# KiCad board led_mapper_850.kicad_pcb (continued)
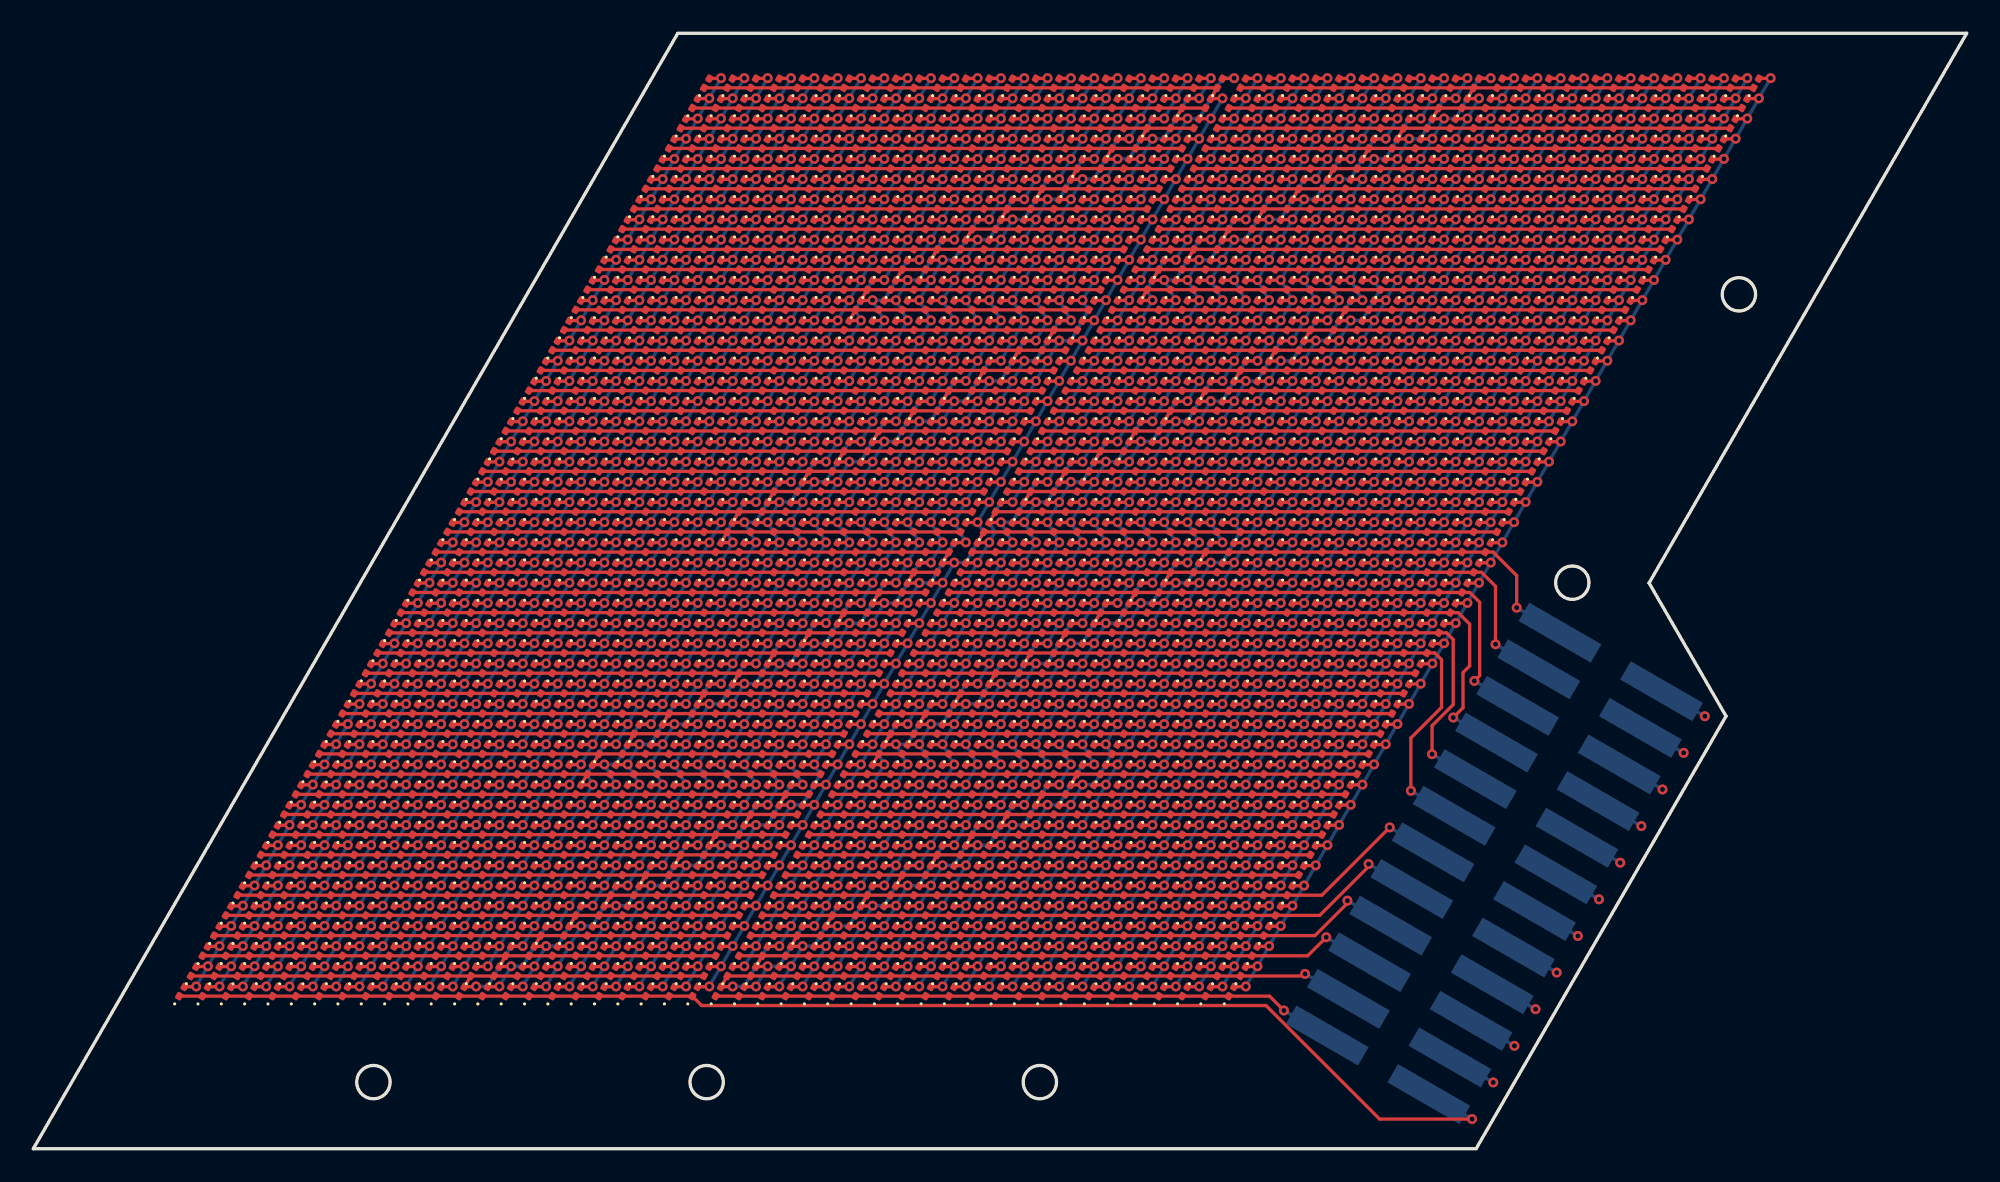
[diagram p0: board, top side]
## Routing (per net, layer and track width the routed paths; a pad name or vN(x,y) marks a point on that pad's centre or on a via; arc(x,y) is an arc through that point) (continued)
/P3: length 359.1
  Top w0.2: D1769.2 v1(14.68,13.38) ; D643.1 D597.2 v1(60.18,38.84) ; D1337.2 v1(23.78,29.15) ; D49.2 v1(43.38,63.09) ; D3.2 v1(44.08,64.31) ; D1291.2 v1(24.48,30.36) ; D1884.2 v1(48.98,17.02) ; D394.2 v1(70.68,54.61) ; D95.2 v1(42.68,61.88) ; D1383.2 v1(23.08,27.93) ; D2114.2 v1(52.48,23.08) ; D1677.2 v1(13.28,10.96) ; v1(44.08,10.96) D1655.2 D1701.1 ; D2068.2 v1(51.78,21.87) ; D872.2 v1(65.78,46.12) ; D1496.1 D1518.1 ; D573.2 v1(28.68,37.63) ; D826.2 v1(65.08,44.91) ; D1702.1 D1680.1 76.49,11.59 v1(77.61,12.7) ; D187.2 v1(41.28,59.46) ; D551.2 v1(59.48,37.63) ; D1222.2 v1(58.08,32.78) ; D803.2 v1(32.18,43.69) ; D463.2 v1(37.08,52.18) ; v1(67.88,52.18) D485.2 D439.1 ; D164.2 v1(74.18,60.67) ; D1609.2 v1(43.38,9.75) ; D1429.2 v1(22.38,26.72) ; D1033.2 v1(35.68,49.76) ; D417.2 v1(37.78,53.39) ; D1953.2 v1(17.48,18.23) ; D279.2 v1(39.88,57.03) ; D849.2 v1(32.88,44.91) ; D964.2 v1(67.18,48.54) ; D895.2 v1(33.58,46.12) ; D987.2 v1(34.98,48.54) ; D1475.2 v1(21.68,25.51) ; D72.2 v1(75.58,63.09) ; D118.2 v1(74.88,61.88) ; D941.2 v1(34.28,47.33) ; D1314.2 v1(56.68,30.36) ; D1130.2 v1(59.48,35.21) ; D780.2 v1(64.38,43.69) ; D1452.2 v1(54.58,26.72) ; D438.1 D460.1 ; D1245.2 v1(25.18,31.57) ; D1056.2 v1(68.58,50.97) ; D918.2 v1(66.48,47.33) ; D711.2 v1(30.78,41.27) ; D1153.2 v1(26.58,33.99) ; D141.2 v1(41.98,60.67) ; D1268.2 v1(57.38,31.57) ; D1061.2 v1(27.98,36.42) ; D1567.2 v1(20.28,23.08) ; D302.2 v1(72.08,57.03) ; D1930.2 v1(49.68,18.23) ; D1815.2 v1(15.38,14.6) ; D1010.2 v1(67.88,49.76) ; D26.2 v1(76.28,64.31) ; D1976.2 v1(50.38,19.45) ; D1360.2 v1(55.98,29.15) ; D1907.2 v1(16.78,17.02) ; D348.2 v1(71.38,55.82) ; D1521.2 v1(20.98,24.3) ; D210.2 v1(73.48,59.46) ; D325.2 v1(39.18,55.82) ; D2045.2 v1(18.88,20.66) ; D757.2 v1(31.48,42.48) ; D622.1 D644.1 ; D1084.2 v1(60.18,36.42) ; D665.2 v1(30.08,40.06) ; D619.2 v1(29.38,38.84) ; D1838.2 v1(48.28,15.81) ; D256.2 v1(72.78,58.24) ; D1792.2 v1(47.58,14.6) ; D1746.2 v1(46.88,13.38) ; D1861.2 v1(16.08,15.81) ; D1406.2 v1(55.28,27.93) ; D371.2 v1(38.48,54.61) ; D233.2 v1(40.58,58.24) ; D688.2 v1(62.98,41.27) ; D2091.2 v1(19.58,21.87) ; D1107.2 v1(27.28,35.21) ; v1(51.78,24.3) D1543.2 D1497.1 ; D509.2 v1(36.38,50.97) ; D1723.2 v1(13.98,12.17) ; D734.2 v1(63.68,42.48) ; D1199.2 v1(25.88,32.78) ; D1176.2 v1(58.78,33.99) ; D1631.2 v1(12.58,9.75) ; D2022.2 v1(51.08,20.66) ; D1999.2 v1(18.18,19.45)
  In2.Cu w0.2: v1(59.48,37.63) 59.13,38.24 29.03,38.24 v1(28.68,37.63)
  Bottom w0.2: J1.3 v1(77.61,12.7) ; v1(44.08,64.31) v1(12.58,9.75) ; v1(76.28,64.31) v1(70.68,54.61) 69.98,54.61 68.58,52.18 v1(67.88,52.18) v1(68.58,50.97) v1(62.98,41.27) 62.28,41.27 60.88,38.84 v1(60.18,38.84) v1(59.48,37.63) v1(60.18,36.42) v1(54.58,26.72) 53.88,26.72 52.48,24.3 v1(51.78,24.3) v1(52.48,23.08) v1(46.88,13.38) 46.18,13.38 44.78,10.96 v1(44.08,10.96) v1(43.38,9.75)
/P4: length 360.1
  Top w0.2: v1(46.18,12.17) D1700.2 D1746.1 ; D1791.2 v1(48.98,14.6) ; D802.2 v1(33.58,43.69) ; D779.2 v1(65.78,43.69) ; D894.2 v1(34.98,46.12) ; D572.2 v1(30.08,37.63) ; D1450.1 D1472.1 ; D825.2 v1(66.48,44.91) ; D1177.2 v1(60.18,33.99) ; D940.2 v1(35.68,47.33) ; D1975.2 v1(51.78,19.45) ; v1(78.88,14.9) 78.88,14.75 76.93,12.8 D1726.1 D1748.1 ; D1768.2 v1(16.08,13.38) ; D2113.2 v1(53.88,23.08) ; D917.2 v1(67.88,47.33) ; D326.2 v1(40.58,55.82) ; D1009.2 v1(69.28,49.76) ; D1085.2 v1(61.58,36.42) ; D1154.2 v1(27.98,33.99) ; D1384.2 v1(24.48,27.93) ; D303.2 v1(73.48,57.03) ; D1200.2 v1(27.28,32.78) ; D50.2 v1(44.78,63.09) ; D1055.2 v1(69.98,50.97) ; D188.2 v1(42.68,59.46) ; D486.2 v1(69.28,52.18) ; D1998.2 v1(19.58,19.45) ; D73.2 v1(76.98,63.09) ; D257.2 v1(74.18,58.24) ; D1544.2 v1(53.18,24.3) ; D963.2 v1(68.58,48.54) ; D234.2 v1(41.98,58.24) ; D1568.2 v1(21.68,23.08) ; D733.2 v1(65.08,42.48) ; D1338.2 v1(25.18,29.15) ; v1(69.98,53.39) D440.2 D394.1 ; D27.2 v1(77.68,64.31) ; D418.2 v1(39.18,53.39) ; v1(62.28,40.06) D642.2 D688.1 ; D710.2 v1(32.18,41.27) ; D4.2 v1(45.48,64.31) ; D1608.2 v1(44.78,9.75) ; D165.2 v1(75.58,60.67) ; D1246.2 v1(26.58,31.57) ; D349.2 v1(72.78,55.82) ; D550.2 v1(60.88,37.63) ; D372.2 v1(39.88,54.61) ; D211.2 v1(74.88,59.46) ; D142.2 v1(43.38,60.67) ; D96.2 v1(44.08,61.88) ; D1108.2 v1(28.68,35.21) ; D1476.2 v1(23.08,25.51) ; D1522.2 v1(22.38,24.3) ; D756.2 v1(32.88,42.48) ; D1906.2 v1(18.18,17.02) ; D1452.1 D1498.2 v1(53.88,25.51) ; D664.2 v1(31.48,40.06) ; D1630.2 v1(13.98,9.75) ; D2021.2 v1(52.48,20.66) ; D618.2 v1(30.78,38.84) ; D668.1 D690.1 ; D1929.2 v1(51.08,18.23) ; D1131.2 v1(60.88,35.21) ; D1032.2 v1(37.08,49.76) ; D1676.2 v1(14.68,10.96) ; D1860.2 v1(17.48,15.81) ; D464.2 v1(38.48,52.18) ; D119.2 v1(76.28,61.88) ; D871.2 v1(67.18,46.12) ; D1722.2 v1(15.38,12.17) ; D1407.2 v1(56.68,27.93) ; D1292.2 v1(25.88,30.36) ; D2044.2 v1(20.28,20.66) ; D1654.2 v1(45.48,10.96) ; D392.1 D414.1 ; D1223.2 v1(59.48,32.78) ; D986.2 v1(36.38,48.54) ; D1269.2 v1(58.78,31.57) ; D596.2 v1(61.58,38.84) ; D1361.2 v1(57.38,29.15) ; D2090.2 v1(20.98,21.87) ; D1883.2 v1(50.38,17.02) ; D1814.2 v1(16.78,14.6) ; D1062.2 v1(29.38,36.42) ; D510.2 v1(37.78,50.97) ; D280.2 v1(41.28,57.03) ; D1315.2 v1(58.08,30.36) ; D1952.2 v1(18.88,18.23) ; D848.2 v1(34.28,44.91) ; D1430.2 v1(23.78,26.72) ; D2067.2 v1(53.18,21.87) ; D1837.2 v1(49.68,15.81)
  In2.Cu w0.2: v1(30.78,38.84) 31.13,39.45 61.23,39.45 v1(61.58,38.84)
  Bottom w0.2: v1(45.48,64.31) v1(13.98,9.75) ; v1(77.68,64.31) v1(72.78,55.82) 72.08,55.82 70.68,53.39 v1(69.98,53.39) v1(69.28,52.18) v1(69.98,50.97) v1(65.08,42.48) 64.38,42.48 62.98,40.06 v1(62.28,40.06) v1(60.88,37.63) v1(61.58,36.42) v1(56.68,27.93) 55.98,27.93 54.58,25.51 v1(53.88,25.51) v1(53.18,24.3) v1(53.88,23.08) v1(48.98,14.6) 48.28,14.6 46.88,12.17 v1(46.18,12.17) v1(44.78,9.75) ; J1.4 v1(78.88,14.9)
/P5: length 361.1
  Top w0.2: D2043.2 v1(21.68,20.66) ; D1224.2 v1(60.88,32.78) ; D346.1 D368.1 ; D962.2 v1(69.98,48.54) ; D1008.2 v1(70.68,49.76) ; D1523.2 v1(23.78,24.3) ; D663.2 v1(32.88,40.06) ; D2066.2 v1(54.58,21.87) ; D1054.2 v1(71.38,50.97) ; D1791.1 D1745.2 v1(48.28,13.38) ; D847.2 v1(35.68,44.91) ; D1836.2 v1(51.08,15.81) ; D1629.2 v1(15.38,9.75) ; D2089.2 v1(22.38,21.87) ; D1155.2 v1(29.38,33.99) ; D258.2 v1(75.58,58.24) ; D1132.2 v1(62.28,35.21) ; D1545.2 v1(54.58,24.3) ; D985.2 v1(37.78,48.54) ; D549.2 v1(62.28,37.63) ; D143.2 v1(44.78,60.67) ; D1859.2 v1(18.88,15.81) ; D1767.2 v1(17.48,13.38) ; D212.2 v1(76.28,59.46) ; D28.2 v1(79.08,64.31) ; D281.2 v1(42.68,57.03) ; D755.2 v1(34.28,42.48) ; D1974.2 v1(53.18,19.45) ; D1928.2 v1(52.48,18.23) ; v1(72.08,54.61) D395.2 D349.1 ; D465.2 v1(39.88,52.18) ; D1316.2 v1(59.48,30.36) ; v1(80.15,17.1) 80.15,16.95 77.21,14.01 D1772.1 D1794.1 ; D1499.2 v1(55.28,25.51) ; D441.2 v1(71.38,53.39) ; D1721.2 v1(16.78,12.17) ; D1477.2 v1(24.48,25.51) ; D304.2 v1(74.88,57.03) ; D1385.2 v1(25.88,27.93) ; D166.2 v1(76.98,60.67) ; D1247.2 v1(27.98,31.57) ; D1431.2 v1(25.18,26.72) ; D120.2 v1(77.68,61.88) ; v1(55.98,26.72) D1453.2 D1407.1 ; D2020.2 v1(53.88,20.66) ; v1(64.38,41.27) D687.2 D733.1 ; D1270.2 v1(60.18,31.57) ; D617.2 v1(32.18,38.84) ; D870.2 v1(68.58,46.12) ; D1905.2 v1(19.58,17.02) ; D1339.2 v1(26.58,29.15) ; D1607.2 v1(46.18,9.75) ; D419.2 v1(40.58,53.39) ; D5.2 v1(46.88,64.31) ; D641.2 v1(63.68,40.06) ; D1293.2 v1(27.28,30.36) ; D801.2 v1(34.98,43.69) ; D511.2 v1(39.18,50.97) ; D939.2 v1(37.08,47.33) ; D327.2 v1(41.98,55.82) ; D235.2 v1(43.38,58.24) ; D893.2 v1(36.38,46.12) ; D1813.2 v1(18.18,14.6) ; D1699.2 v1(47.58,12.17) ; D1882.2 v1(51.78,17.02) ; D1675.2 v1(16.08,10.96) ; D1653.2 v1(46.88,10.96) ; D916.2 v1(69.28,47.33) ; D2112.2 v1(55.28,23.08) ; D709.2 v1(33.58,41.27) ; D74.2 v1(78.38,63.09) ; D1362.2 v1(58.78,29.15) ; D1063.2 v1(30.78,36.42) ; D97.2 v1(45.48,61.88) ; D189.2 v1(44.08,59.46) ; D1178.2 v1(61.58,33.99) ; D1997.2 v1(20.98,19.45) ; D824.2 v1(67.88,44.91) ; D1569.2 v1(23.08,23.08) ; D373.2 v1(41.28,54.61) ; D1201.2 v1(28.68,32.78) ; D51.2 v1(46.18,63.09) ; D571.2 v1(31.48,37.63) ; D595.2 v1(62.98,38.84) ; D778.2 v1(67.18,43.69) ; D1109.2 v1(30.08,35.21) ; D1031.2 v1(38.48,49.76) ; D1951.2 v1(20.28,18.23) ; D1086.2 v1(62.98,36.42) ; D714.1 D736.1 ; D487.2 v1(70.68,52.18) ; D1404.1 D1426.1
  In2.Cu w0.2: v1(32.88,40.06) 33.23,40.66 63.33,40.66 v1(63.68,40.06)
  Bottom w0.2: v1(46.88,64.31) v1(15.38,9.75) ; v1(79.08,64.31) v1(74.88,57.03) 74.18,57.03 72.78,54.61 v1(72.08,54.61) v1(70.68,52.18) v1(71.38,50.97) v1(67.18,43.69) 66.48,43.69 65.08,41.27 v1(64.38,41.27) v1(62.28,37.63) v1(62.98,36.42) v1(58.78,29.15) 58.08,29.15 56.68,26.72 v1(55.98,26.72) v1(54.58,24.3) v1(55.28,23.08) v1(51.08,15.81) 50.38,15.81 48.98,13.38 v1(48.28,13.38) v1(46.18,9.75) ; J1.5 v1(80.15,17.1)
/P6: length 362
  Top w0.2: D1110.2 v1(31.48,35.21) ; D121.2 v1(79.08,61.88) ; D778.1 D732.2 v1(66.48,42.48) ; D708.2 v1(34.98,41.27) ; D374.2 v1(42.68,54.61) ; D869.2 v1(69.98,46.12) ; D938.2 v1(38.48,47.33) ; D662.2 v1(34.28,40.06) ; D1996.2 v1(22.38,19.45) ; D512.2 v1(40.58,50.97) ; D1225.2 v1(62.28,32.78) ; D304.1 D350.2 v1(74.18,55.82) ; D420.2 v1(41.98,53.39) ; D1927.2 v1(53.88,18.23) ; D1030.2 v1(39.88,49.76) ; D1973.2 v1(54.58,19.45) ; D1064.2 v1(32.18,36.42) ; v1(50.38,14.6) D1790.2 D1836.1 ; D823.2 v1(69.28,44.91) ; D594.2 v1(64.38,38.84) ; D1652.2 v1(48.28,10.96) ; D1478.2 v1(25.88,25.51) ; D1294.2 v1(28.68,30.36) ; D1156.2 v1(30.78,33.99) ; D1500.2 v1(56.68,25.51) ; D442.2 v1(72.78,53.39) ; D754.2 v1(35.68,42.48) ; D1524.2 v1(25.18,24.3) ; D961.2 v1(71.38,48.54) ; D800.2 v1(36.38,43.69) ; D1432.2 v1(26.58,26.72) ; D328.2 v1(43.38,55.82) ; D488.2 v1(72.08,52.18) ; D1087.2 v1(64.38,36.42) ; D466.2 v1(41.28,52.18) ; D282.2 v1(44.08,57.03) ; D1546.2 v1(55.98,24.3) ; D1720.2 v1(18.18,12.17) ; D892.2 v1(37.78,46.12) ; D1271.2 v1(61.58,31.57) ; D1840.1 D1818.1 77.34,15.23 v1(81.42,19.3) ; D236.2 v1(44.78,58.24) ; D1362.1 D1408.2 v1(58.08,27.93) ; D75.2 v1(79.78,63.09) ; D167.2 v1(78.38,60.67) ; D1628.2 v1(16.78,9.75) ; D1570.2 v1(24.48,23.08) ; D144.2 v1(46.18,60.67) ; D52.2 v1(47.58,63.09) ; D98.2 v1(46.88,61.88) ; D1454.2 v1(57.38,26.72) ; D2065.2 v1(55.98,21.87) ; D1133.2 v1(63.68,35.21) ; D2111.2 v1(56.68,23.08) ; D29.2 v1(80.48,64.31) ; D1053.2 v1(72.78,50.97) ; D1606.2 v1(47.58,9.75) ; D915.2 v1(70.68,47.33) ; D2019.2 v1(55.28,20.66) ; D190.2 v1(45.48,59.46) ; D1950.2 v1(21.68,18.23) ; D1179.2 v1(62.98,33.99) ; D846.2 v1(37.08,44.91) ; D616.2 v1(33.58,38.84) ; D1386.2 v1(27.28,27.93) ; D1202.2 v1(30.08,32.78) ; D984.2 v1(39.18,48.54) ; D570.2 v1(32.88,37.63) ; D300.1 D322.1 ; D1904.2 v1(20.98,17.02) ; D1358.1 D1380.1 ; D760.1 D782.1 ; D640.2 v1(65.08,40.06) ; D1766.2 v1(18.88,13.38) ; D686.2 v1(65.78,41.27) ; D1858.2 v1(20.28,15.81) ; D1881.2 v1(53.18,17.02) ; D1698.2 v1(48.98,12.17) ; D1674.2 v1(17.48,10.96) ; D6.2 v1(48.28,64.31) ; D1317.2 v1(60.88,30.36) ; D1812.2 v1(19.58,14.6) ; D548.2 v1(63.68,37.63) ; D1248.2 v1(29.38,31.57) ; D1744.2 v1(49.68,13.38) ; D2042.2 v1(23.08,20.66) ; D1340.2 v1(27.98,29.15) ; D1007.2 v1(72.08,49.76) ; D259.2 v1(76.98,58.24) ; D396.2 v1(73.48,54.61) ; D2088.2 v1(23.78,21.87) ; D213.2 v1(77.68,59.46)
  In2.Cu w0.2: v1(65.78,41.27) 65.43,41.88 35.33,41.88 v1(34.98,41.27)
  Bottom w0.2: J1.6 v1(81.42,19.3) ; v1(48.28,64.31) v1(16.78,9.75) ; v1(80.48,64.31) v1(76.98,58.24) 76.28,58.24 74.88,55.82 v1(74.18,55.82) v1(72.08,52.18) v1(72.78,50.97) v1(69.28,44.91) 68.58,44.91 67.18,42.48 v1(66.48,42.48) v1(63.68,37.63) v1(64.38,36.42) v1(60.88,30.36) 60.18,30.36 58.78,27.93 v1(58.08,27.93) v1(55.98,24.3) v1(56.68,23.08) v1(53.18,17.02) 52.48,17.02 51.08,14.6 v1(50.38,14.6) v1(47.58,9.75)
/P7: length 363.8
  Top w0.2: D1697.2 v1(50.38,12.17) ; D937.2 v1(39.88,47.33) ; D1295.2 v1(30.08,30.36) ; D1995.2 v1(23.78,19.45) ; D1088.2 v1(65.78,36.42) ; D1789.2 v1(51.78,14.6) ; D1651.2 v1(49.68,10.96) ; D1249.2 v1(30.78,31.57) ; D145.2 v1(47.58,60.67) ; D397.2 v1(74.88,54.61) ; D1811.2 v1(20.98,14.6) ; D806.1 D828.1 ; D1571.2 v1(25.88,23.08) ; D1312.1 D1334.1 84.12,29.77 84.53,29.37 84.53,26.51 82.69,24.67 v1(82.69,21.5) ; D1673.2 v1(18.88,10.96) ; D1972.2 v1(55.98,19.45) ; D1111.2 v1(32.88,35.21) ; D214.2 v1(79.08,59.46) ; D960.2 v1(72.78,48.54) ; D845.2 v1(38.48,44.91) ; D1881.1 D1835.2 v1(52.48,15.81) ; D914.2 v1(72.08,47.33) ; D168.2 v1(79.78,60.67) ; D2041.2 v1(24.48,20.66) ; D259.1 D305.2 v1(76.28,57.03) ; D99.2 v1(48.28,61.88) ; D329.2 v1(44.78,55.82) ; D1926.2 v1(55.28,18.23) ; D615.2 v1(34.98,38.84) ; D1065.2 v1(33.58,36.42) ; D1387.2 v1(28.68,27.93) ; D983.2 v1(40.58,48.54) ; D122.2 v1(80.48,61.88) ; D489.2 v1(73.48,52.18) ; D1605.2 v1(48.98,9.75) ; D375.2 v1(44.08,54.61) ; v1(68.58,43.69) D777.2 D823.1 ; D1006.2 v1(73.48,49.76) ; v1(60.18,29.15) D1363.2 D1317.1 ; D2110.2 v1(58.08,23.08) ; D254.1 D276.1 ; D1903.2 v1(22.38,17.02) ; D1547.2 v1(57.38,24.3) ; D191.2 v1(46.88,59.46) ; D1029.2 v1(41.28,49.76) ; D1479.2 v1(27.28,25.51) ; D1455.2 v1(58.78,26.72) ; D513.2 v1(41.98,50.97) ; D1765.2 v1(20.28,13.38) ; D421.2 v1(43.38,53.39) ; D547.2 v1(65.08,37.63) ; D2018.2 v1(56.68,20.66) ; D868.2 v1(71.38,46.12) ; D76.2 v1(81.18,63.09) ; D1052.2 v1(74.18,50.97) ; D753.2 v1(37.08,42.48) ; D1226.2 v1(63.68,32.78) ; D799.2 v1(37.78,43.69) ; D685.2 v1(67.18,41.27) ; D53.2 v1(48.98,63.09) ; D661.2 v1(35.68,40.06) ; D1864.1 D1886.1 ; D1157.2 v1(32.18,33.99) ; D1272.2 v1(62.98,31.57) ; D1525.2 v1(26.58,24.3) ; D1857.2 v1(21.68,15.81) ; D707.2 v1(36.38,41.27) ; D1949.2 v1(23.08,18.23) ; D569.2 v1(34.28,37.63) ; D1743.2 v1(51.08,13.38) ; D1409.2 v1(59.48,27.93) ; D1627.2 v1(18.18,9.75) ; D443.2 v1(74.18,53.39) ; D1134.2 v1(65.08,35.21) ; D2087.2 v1(25.18,21.87) ; D1433.2 v1(27.98,26.72) ; D593.2 v1(65.78,38.84) ; D891.2 v1(39.18,46.12) ; D1180.2 v1(64.38,33.99) ; D1501.2 v1(58.08,25.51) ; D2064.2 v1(57.38,21.87) ; D639.2 v1(66.48,40.06) ; D283.2 v1(45.48,57.03) ; D351.2 v1(75.58,55.82) ; D1203.2 v1(31.48,32.78) ; D731.2 v1(67.88,42.48) ; D1341.2 v1(29.38,29.15) ; D467.2 v1(42.68,52.18) ; D237.2 v1(46.18,58.24) ; D30.2 v1(81.88,64.31) ; D1719.2 v1(19.58,12.17) ; D7.2 v1(49.68,64.31)
  In2.Cu w0.2: v1(37.08,42.48) 37.43,43.09 67.53,43.09 v1(67.88,42.48)
  Bottom w0.2: v1(49.68,64.31) v1(18.18,9.75) ; v1(48.98,9.75) v1(52.48,15.81) 53.18,15.81 54.58,18.23 v1(55.28,18.23) v1(58.08,23.08) v1(57.38,24.3) v1(60.18,29.15) 60.88,29.15 62.28,31.57 v1(62.98,31.57) v1(65.78,36.42) v1(65.08,37.63) v1(68.58,43.69) 69.28,43.69 70.68,46.12 v1(71.38,46.12) v1(74.18,50.97) v1(73.48,52.18) v1(76.28,57.03) 76.98,57.03 78.38,59.46 v1(79.08,59.46) v1(81.88,64.31) ; J1.7 v1(82.69,21.5)
/P8: length 362.6
  Top w0.2: D1788.2 v1(53.18,14.6) ; D844.2 v1(39.88,44.91) ; D2040.2 v1(25.88,20.66) ; D1005.2 v1(74.88,49.76) ; D146.2 v1(48.98,60.67) ; D660.2 v1(37.08,40.06) ; D1856.2 v1(23.08,15.81) ; D1181.2 v1(65.78,33.99) ; D730.2 v1(69.28,42.48) ; D214.1 D260.2 v1(78.38,58.24) ; D1028.2 v1(42.68,49.76) ; D1266.1 D1288.1 84.82,30.99 85.23,30.59 85.23,26.68 83.96,25.41 v1(83.96,23.7) ; D1112.2 v1(34.28,35.21) ; D1810.2 v1(22.38,14.6) ; D1502.2 v1(59.48,25.51) ; D490.2 v1(74.88,52.18) ; D1834.2 v1(53.88,15.81) ; D868.1 D822.2 v1(70.68,44.91) ; D238.2 v1(47.58,58.24) ; D306.2 v1(77.68,57.03) ; D936.2 v1(41.28,47.33) ; D1764.2 v1(21.68,13.38) ; D2063.2 v1(58.78,21.87) ; D684.2 v1(68.58,41.27) ; D123.2 v1(81.88,61.88) ; D1742.2 v1(52.48,13.38) ; D2017.2 v1(58.08,20.66) ; v1(54.58,17.02) D1880.2 D1926.1 ; v1(62.28,30.36) D1318.2 D1272.1 ; D1948.2 v1(24.48,18.23) ; D1456.2 v1(60.18,26.72) ; D752.2 v1(38.48,42.48) ; D546.2 v1(66.48,37.63) ; D1388.2 v1(30.08,27.93) ; D31.2 v1(83.28,64.31) ; D1342.2 v1(30.78,29.15) ; D514.2 v1(43.38,50.97) ; D100.2 v1(49.68,61.88) ; D1227.2 v1(65.08,32.78) ; D913.2 v1(73.48,47.33) ; D208.1 D230.1 ; D1364.2 v1(61.58,29.15) ; D706.2 v1(37.78,41.27) ; D1089.2 v1(67.18,36.42) ; D1971.2 v1(57.38,19.45) ; D330.2 v1(46.18,55.82) ; D982.2 v1(41.98,48.54) ; D77.2 v1(82.58,63.09) ; D1672.2 v1(20.28,10.96) ; D638.2 v1(67.88,40.06) ; D798.2 v1(39.18,43.69) ; D376.2 v1(45.48,54.61) ; D1572.2 v1(27.28,23.08) ; D1626.2 v1(19.58,9.75) ; D1718.2 v1(20.98,12.17) ; D1296.2 v1(31.48,30.36) ; D1548.2 v1(58.78,24.3) ; D1158.2 v1(33.58,33.99) ; D1526.2 v1(27.98,24.3) ; D468.2 v1(44.08,52.18) ; D352.2 v1(76.98,55.82) ; D776.2 v1(69.98,43.69) ; D1902.2 v1(23.78,17.02) ; D1480.2 v1(28.68,25.51) ; D54.2 v1(50.38,63.09) ; D1696.2 v1(51.78,12.17) ; D568.2 v1(35.68,37.63) ; D2109.2 v1(59.48,23.08) ; D1604.2 v1(50.38,9.75) ; D852.1 D874.1 ; D1910.1 D1932.1 ; D1066.2 v1(34.98,36.42) ; D890.2 v1(40.58,46.12) ; D444.2 v1(75.58,53.39) ; D169.2 v1(81.18,60.67) ; D398.2 v1(76.28,54.61) ; D614.2 v1(36.38,38.84) ; D1135.2 v1(66.48,35.21) ; D1434.2 v1(29.38,26.72) ; D1650.2 v1(51.08,10.96) ; D1410.2 v1(60.88,27.93) ; D1204.2 v1(32.88,32.78) ; D192.2 v1(48.28,59.46) ; D1051.2 v1(75.58,50.97) ; D2086.2 v1(26.58,21.87) ; D422.2 v1(44.78,53.39) ; D959.2 v1(74.18,48.54) ; D592.2 v1(67.18,38.84) ; D284.2 v1(46.88,57.03) ; D8.2 v1(51.08,64.31) ; D1250.2 v1(32.18,31.57) ; D1994.2 v1(25.18,19.45)
  In2.Cu w0.2: v1(69.98,43.69) 69.63,44.3 39.53,44.3 v1(39.18,43.69)
  Bottom w0.2: v1(51.08,64.31) v1(19.58,9.75) ; v1(50.38,9.75) v1(54.58,17.02) 55.28,17.02 56.68,19.45 v1(57.38,19.45) v1(59.48,23.08) v1(58.78,24.3) v1(62.28,30.36) 62.98,30.36 64.38,32.78 v1(65.08,32.78) v1(67.18,36.42) v1(66.48,37.63) v1(70.68,44.91) 71.38,44.91 72.78,47.33 v1(73.48,47.33) v1(75.58,50.97) v1(74.88,52.18) v1(78.38,58.24) 79.08,58.24 80.48,60.67 v1(81.18,60.67) v1(83.28,64.31) ; J1.8 v1(83.96,23.7)
/P9: length 361.6
  Top w0.2: D1649.2 v1(52.48,10.96) ; D889.2 v1(41.98,46.12) ; D1527.2 v1(29.38,24.3) ; D399.2 v1(77.68,54.61) ; D423.2 v1(46.18,53.39) ; D261.2 v1(79.78,58.24) ; D1833.2 v1(55.28,15.81) ; D1457.2 v1(61.58,26.72) ; D469.2 v1(45.48,52.18) ; D1205.2 v1(34.28,32.78) ; D843.2 v1(41.28,44.91) ; D1763.2 v1(23.08,13.38) ; D1067.2 v1(36.38,36.42) ; D1027.2 v1(44.08,49.76) ; v1(80.48,59.46) D215.2 D169.1 ; D659.2 v1(38.48,40.06) ; D2039.2 v1(27.28,20.66) ; D239.2 v1(48.98,58.24) ; D1389.2 v1(31.48,27.93) ; D683.2 v1(69.98,41.27) ; v1(56.68,18.23) D1925.2 D1971.1 ; D775.2 v1(71.38,43.69) ; D1503.2 v1(60.88,25.51) ; D1809.2 v1(23.78,14.6) ; D162.1 D184.1 ; D591.2 v1(68.58,38.84) ; D958.2 v1(75.58,48.54) ; D1343.2 v1(32.18,29.15) ; D9.2 v1(52.48,64.31) ; D353.2 v1(78.38,55.82) ; D2062.2 v1(60.18,21.87) ; D1481.2 v1(30.08,25.51) ; D935.2 v1(42.68,47.33) ; D193.2 v1(49.68,59.46) ; D1159.2 v1(34.98,33.99) ; D898.1 D920.1 ; D1050.2 v1(76.98,50.97) ; D445.2 v1(76.98,53.39) ; D913.1 D867.2 v1(72.78,46.12) ; D1993.2 v1(26.58,19.45) ; D1855.2 v1(24.48,15.81) ; D821.2 v1(72.08,44.91) ; D1695.2 v1(53.18,12.17) ; D1625.2 v1(20.98,9.75) ; D1435.2 v1(30.78,26.72) ; D1365.2 v1(62.98,29.15) ; D1113.2 v1(35.68,35.21) ; D331.2 v1(47.58,55.82) ; D751.2 v1(39.88,42.48) ; D491.2 v1(76.28,52.18) ; D1136.2 v1(67.88,35.21) ; D55.2 v1(51.78,63.09) ; D797.2 v1(40.58,43.69) ; D1901.2 v1(25.18,17.02) ; D2016.2 v1(59.48,20.66) ; D567.2 v1(37.08,37.63) ; D1297.2 v1(32.88,30.36) ; D1251.2 v1(33.58,31.57) ; D637.2 v1(69.28,40.06) ; D2085.2 v1(27.98,21.87) ; D101.2 v1(51.08,61.88) ; D1182.2 v1(67.18,33.99) ; D78.2 v1(83.98,63.09) ; D1603.2 v1(51.78,9.75) ; D147.2 v1(50.38,60.67) ; D1717.2 v1(22.38,12.17) ; D1090.2 v1(68.58,36.42) ; D1549.2 v1(60.18,24.3) ; D729.2 v1(70.68,42.48) ; D124.2 v1(83.28,61.88) ; D1004.2 v1(76.28,49.76) ; D32.2 v1(84.68,64.31) ; v1(85.23,25.9) 85.81,26.49 85.81,28.6 86.21,29 86.21,31.51 85.52,32.2 D1242.1 D1220.1 ; D1947.2 v1(25.88,18.23) ; D1573.2 v1(28.68,23.08) ; D377.2 v1(46.88,54.61) ; D981.2 v1(43.38,48.54) ; D545.2 v1(67.88,37.63) ; D307.2 v1(79.08,57.03) ; D1671.2 v1(21.68,10.96) ; D1411.2 v1(62.28,27.93) ; D1319.2 v1(63.68,30.36) ; D2108.2 v1(60.88,23.08) ; D515.2 v1(44.78,50.97) ; D1879.2 v1(55.98,17.02) ; D1227.1 D1273.2 v1(64.38,31.57) ; D705.2 v1(39.18,41.27) ; D1787.2 v1(54.58,14.6) ; D613.2 v1(37.78,38.84) ; D285.2 v1(48.28,57.03) ; D1741.2 v1(53.88,13.38) ; D1956.1 D1978.1
  In2.Cu w0.2: v1(72.08,44.91) 71.73,45.51 41.63,45.51 v1(41.28,44.91)
  Bottom w0.2: v1(84.68,64.31) v1(83.28,61.88) 82.58,61.88 81.18,59.46 v1(80.48,59.46) v1(76.28,52.18) v1(76.98,50.97) v1(75.58,48.54) 74.88,48.54 73.48,46.12 v1(72.78,46.12) v1(67.88,37.63) v1(68.58,36.42) v1(67.18,33.99) 66.48,33.99 65.08,31.57 v1(64.38,31.57) v1(60.18,24.3) v1(60.88,23.08) v1(59.48,20.66) 58.78,20.66 57.38,18.23 v1(56.68,18.23) v1(51.78,9.75) ; J1.9 v1(85.23,25.9) ; v1(52.48,64.31) v1(20.98,9.75)
/P10: length 360.3
  Top w0.2: D79.2 v1(85.38,63.09) ; D1900.2 v1(26.58,17.02) ; D116.1 D138.1 ; D1740.2 v1(55.28,13.38) ; D378.2 v1(48.28,54.61) ; D1206.2 v1(35.68,32.78) ; D308.2 v1(80.48,57.03) ; D1344.2 v1(33.58,29.15) ; D544.2 v1(69.28,37.63) ; D1049.2 v1(78.38,50.97) ; v1(74.88,47.33) D912.2 D958.1 ; D516.2 v1(46.18,50.97) ; D446.2 v1(78.38,53.39) ; D1298.2 v1(34.28,30.36) ; D888.2 v1(43.38,46.12) ; D612.2 v1(39.18,38.84) ; D286.2 v1(49.68,57.03) ; D354.2 v1(79.78,55.82) ; D1808.2 v1(25.18,14.6) ; D2061.2 v1(61.58,21.87) ; D774.2 v1(72.78,43.69) ; v1(58.78,19.45) D1970.2 D2016.1 ; D1528.2 v1(30.78,24.3) ; D1458.2 v1(62.98,26.72) ; D728.2 v1(72.08,42.48) ; D424.2 v1(47.58,53.39) ; D56.2 v1(53.18,63.09) ; D1670.2 v1(23.08,10.96) ; D10.2 v1(53.88,64.31) ; v1(86.5,28.1) 86.81,28.42 86.81,32.82 86.22,33.41 D1196.1 D1174.1 ; D590.2 v1(69.98,38.84) ; D2002.1 D2024.1 ; D1854.2 v1(25.88,15.81) ; D1694.2 v1(54.58,12.17) ; D332.2 v1(48.98,55.82) ; D1832.2 v1(56.68,15.81) ; D1320.2 v1(65.08,30.36) ; D33.2 v1(86.08,64.31) ; D1068.2 v1(37.78,36.42) ; D1412.2 v1(63.68,27.93) ; D2084.2 v1(29.38,21.87) ; D1436.2 v1(32.18,26.72) ; D1114.2 v1(37.08,35.21) ; D262.2 v1(81.18,58.24) ; D1992.2 v1(27.98,19.45) ; D1602.2 v1(53.18,9.75) ; D566.2 v1(38.48,37.63) ; D1366.2 v1(64.38,29.15) ; D2038.2 v1(28.68,20.66) ; D796.2 v1(41.98,43.69) ; D944.1 D966.1 ; D1504.2 v1(62.28,25.51) ; D1648.2 v1(53.88,10.96) ; D194.2 v1(51.08,59.46) ; D704.2 v1(40.58,41.27) ; D240.2 v1(50.38,58.24) ; D1182.1 D1228.2 v1(66.48,32.78) ; D682.2 v1(71.38,41.27) ; D866.2 v1(74.18,46.12) ; D1482.2 v1(31.48,25.51) ; D1390.2 v1(32.88,27.93) ; D1574.2 v1(30.08,23.08) ; D400.2 v1(79.08,54.61) ; D1624.2 v1(22.38,9.75) ; D980.2 v1(44.78,48.54) ; D1160.2 v1(36.38,33.99) ; D1762.2 v1(24.48,13.38) ; D934.2 v1(44.08,47.33) ; D636.2 v1(70.68,40.06) ; D750.2 v1(41.28,42.48) ; D216.2 v1(81.88,59.46) ; D1252.2 v1(34.98,31.57) ; D1550.2 v1(61.58,24.3) ; D492.2 v1(77.68,52.18) ; D1946.2 v1(27.28,18.23) ; D1026.2 v1(45.48,49.76) ; D820.2 v1(73.48,44.91) ; D1274.2 v1(65.78,31.57) ; v1(82.58,60.67) D170.2 D124.1 ; D1786.2 v1(55.98,14.6) ; D842.2 v1(42.68,44.91) ; D470.2 v1(46.88,52.18) ; D1716.2 v1(23.78,12.17) ; D1091.2 v1(69.98,36.42) ; D1137.2 v1(69.28,35.21) ; D102.2 v1(52.48,61.88) ; D2107.2 v1(62.28,23.08) ; D1003.2 v1(77.68,49.76) ; D148.2 v1(51.78,60.67) ; D1878.2 v1(57.38,17.02) ; D658.2 v1(39.88,40.06) ; D1924.2 v1(58.08,18.23)
  In2.Cu w0.2: v1(43.38,46.12) 43.73,46.73 73.83,46.73 v1(74.18,46.12)
  Bottom w0.2: v1(86.08,64.31) v1(85.38,63.09) 84.68,63.09 83.28,60.67 v1(82.58,60.67) v1(77.68,52.18) v1(78.38,50.97) v1(77.68,49.76) 76.98,49.76 75.58,47.33 v1(74.88,47.33) v1(69.28,37.63) v1(69.98,36.42) v1(69.28,35.21) 68.58,35.21 67.18,32.78 v1(66.48,32.78) v1(61.58,24.3) v1(62.28,23.08) v1(61.58,21.87) 60.88,21.87 59.48,19.45 v1(58.78,19.45) v1(53.18,9.75) ; J1.10 v1(86.5,28.1) ; v1(53.88,64.31) v1(22.38,9.75)
/P11: length 359.3
  Top w0.2: D1991.2 v1(29.38,19.45) ; D401.2 v1(80.48,54.61) ; D1483.2 v1(32.88,25.51) ; D379.2 v1(49.68,54.61) ; D103.2 v1(53.88,61.88) ; D1321.2 v1(66.48,30.36) ; D34.2 v1(87.48,64.31) ; D1551.2 v1(62.98,24.3) ; D309.2 v1(81.88,57.03) ; D543.2 v1(70.68,37.63) ; D2048.1 D2070.1 ; D841.2 v1(44.08,44.91) ; D471.2 v1(48.28,52.18) ; D1437.2 v1(33.58,26.72) ; D865.2 v1(75.58,46.12) ; D990.1 D1012.1 ; D2106.2 v1(63.68,23.08) ; D1253.2 v1(36.38,31.57) ; D1505.2 v1(63.68,25.51) ; D1715.2 v1(25.18,12.17) ; D493.2 v1(79.08,52.18) ; D1413.2 v1(65.08,27.93) ; D1785.2 v1(57.38,14.6) ; D1128.1 D1150.1 86.92,34.62 87.77,33.78 v1(87.77,30.3) ; D1877.2 v1(58.78,17.02) ; D447.2 v1(79.78,53.39) ; D149.2 v1(53.18,60.67) ; D217.2 v1(83.28,59.46) ; D287.2 v1(51.08,57.03) ; D979.2 v1(46.18,48.54) ; D1207.2 v1(37.08,32.78) ; D1969.2 v1(60.18,19.45) ; D1899.2 v1(27.98,17.02) ; D911.2 v1(76.28,47.33) ; D565.2 v1(39.88,37.63) ; D1693.2 v1(55.98,12.17) ; D425.2 v1(48.98,53.39) ; D1459.2 v1(64.38,26.72) ; D657.2 v1(41.28,40.06) ; D635.2 v1(72.08,40.06) ; D1367.2 v1(65.78,29.15) ; D1161.2 v1(37.78,33.99) ; D241.2 v1(51.78,58.24) ; D1003.1 D957.2 v1(76.98,48.54) ; D1529.2 v1(32.18,24.3) ; D1048.2 v1(79.78,50.97) ; D517.2 v1(47.58,50.97) ; D749.2 v1(42.68,42.48) ; D1647.2 v1(55.28,10.96) ; D589.2 v1(71.38,38.84) ; D703.2 v1(41.98,41.27) ; D1115.2 v1(38.48,35.21) ; D795.2 v1(43.38,43.69) ; D611.2 v1(40.58,38.84) ; D933.2 v1(45.48,47.33) ; D1623.2 v1(23.78,9.75) ; D355.2 v1(81.18,55.82) ; D333.2 v1(50.38,55.82) ; D887.2 v1(44.78,46.12) ; v1(84.68,61.88) D125.2 D79.1 ; D1601.2 v1(54.58,9.75) ; D1229.2 v1(67.88,32.78) ; D1025.2 v1(46.88,49.76) ; D2083.2 v1(30.78,21.87) ; v1(60.88,20.66) D2015.2 D2061.1 ; D1807.2 v1(26.58,14.6) ; D57.2 v1(54.58,63.09) ; D263.2 v1(82.58,58.24) ; D1923.2 v1(59.48,18.23) ; v1(68.58,33.99) D1183.2 D1137.1 ; D1669.2 v1(24.48,10.96) ; D1761.2 v1(25.88,13.38) ; D2037.2 v1(30.08,20.66) ; D1092.2 v1(71.38,36.42) ; D1299.2 v1(35.68,30.36) ; D773.2 v1(74.18,43.69) ; D1069.2 v1(39.18,36.42) ; D681.2 v1(72.78,41.27) ; D819.2 v1(74.88,44.91) ; D1391.2 v1(34.28,27.93) ; D1275.2 v1(67.18,31.57) ; D1945.2 v1(28.68,18.23) ; D727.2 v1(73.48,42.48) ; D1853.2 v1(27.28,15.81) ; D171.2 v1(83.98,60.67) ; D1575.2 v1(31.48,23.08) ; D195.2 v1(52.48,59.46) ; D1739.2 v1(56.68,13.38) ; D1831.2 v1(58.08,15.81) ; D1345.2 v1(34.98,29.15) ; D11.2 v1(55.28,64.31) ; D70.1 D92.1
  In2.Cu w0.2: v1(76.28,47.33) 75.93,47.94 45.83,47.94 v1(45.48,47.33)
  Bottom w0.2: v1(54.58,9.75) v1(60.88,20.66) 61.58,20.66 62.98,23.08 v1(63.68,23.08) v1(62.98,24.3) v1(68.58,33.99) 69.28,33.99 70.68,36.42 v1(71.38,36.42) v1(70.68,37.63) v1(76.98,48.54) 77.68,48.54 79.08,50.97 v1(79.78,50.97) v1(79.08,52.18) v1(84.68,61.88) 85.38,61.88 86.78,64.31 v1(87.48,64.31) ; J1.11 v1(87.77,30.3) ; v1(55.28,64.31) v1(23.78,9.75)